# Altium PCB Cyber_VCM.PcbDoc
Units mil, origin at the board's own origin, x right, y up, seen from the top; angles counter-clockwise.
Board outline 1321.55 x 1548.84 mil, 4 copper layers (Top Layer, GND, Signal, Bottom Layer), stack 23.756 mil thick; 68 components, 56 nets, 303 pads, 166 vias.
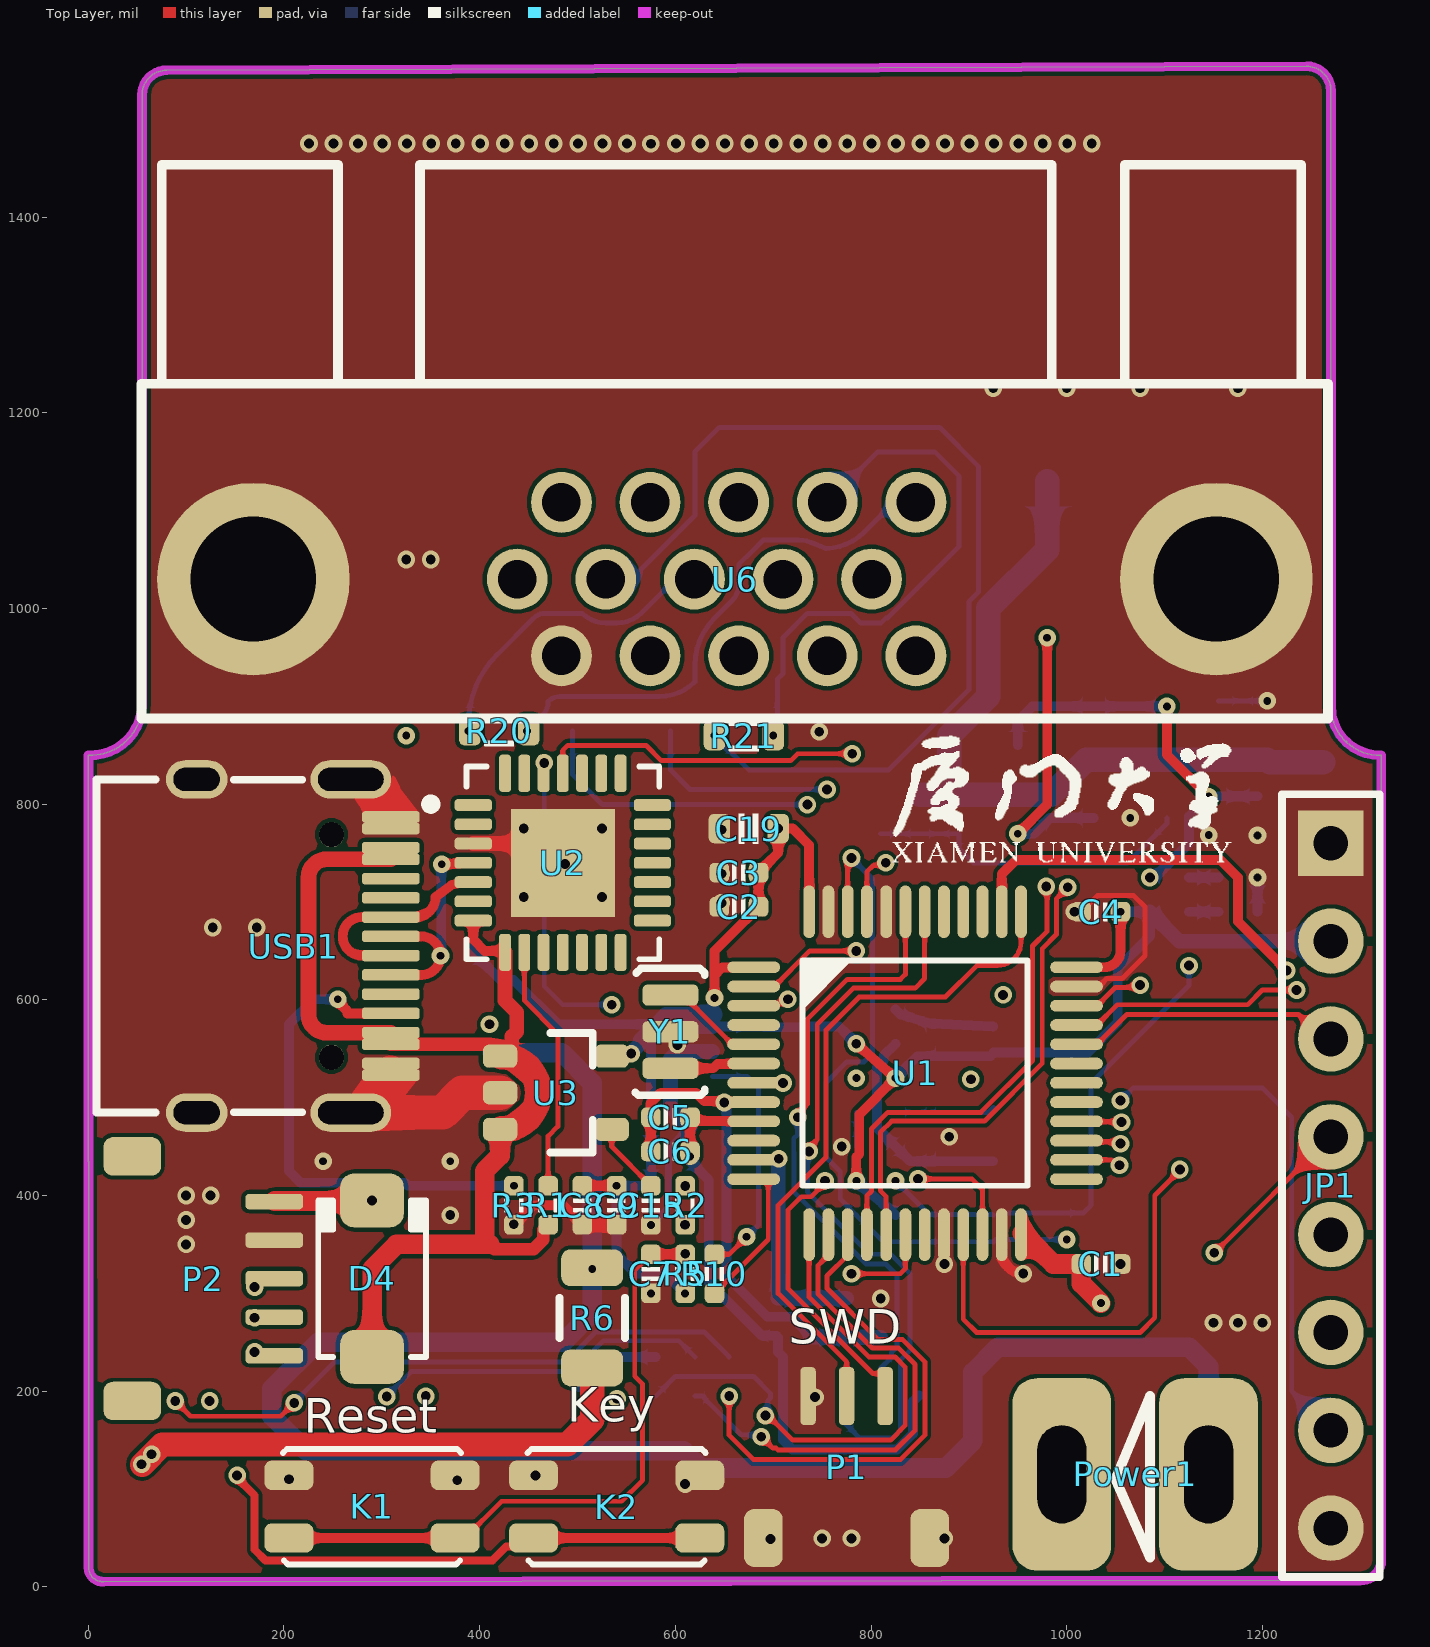
[diagram p0: Top Layer view]
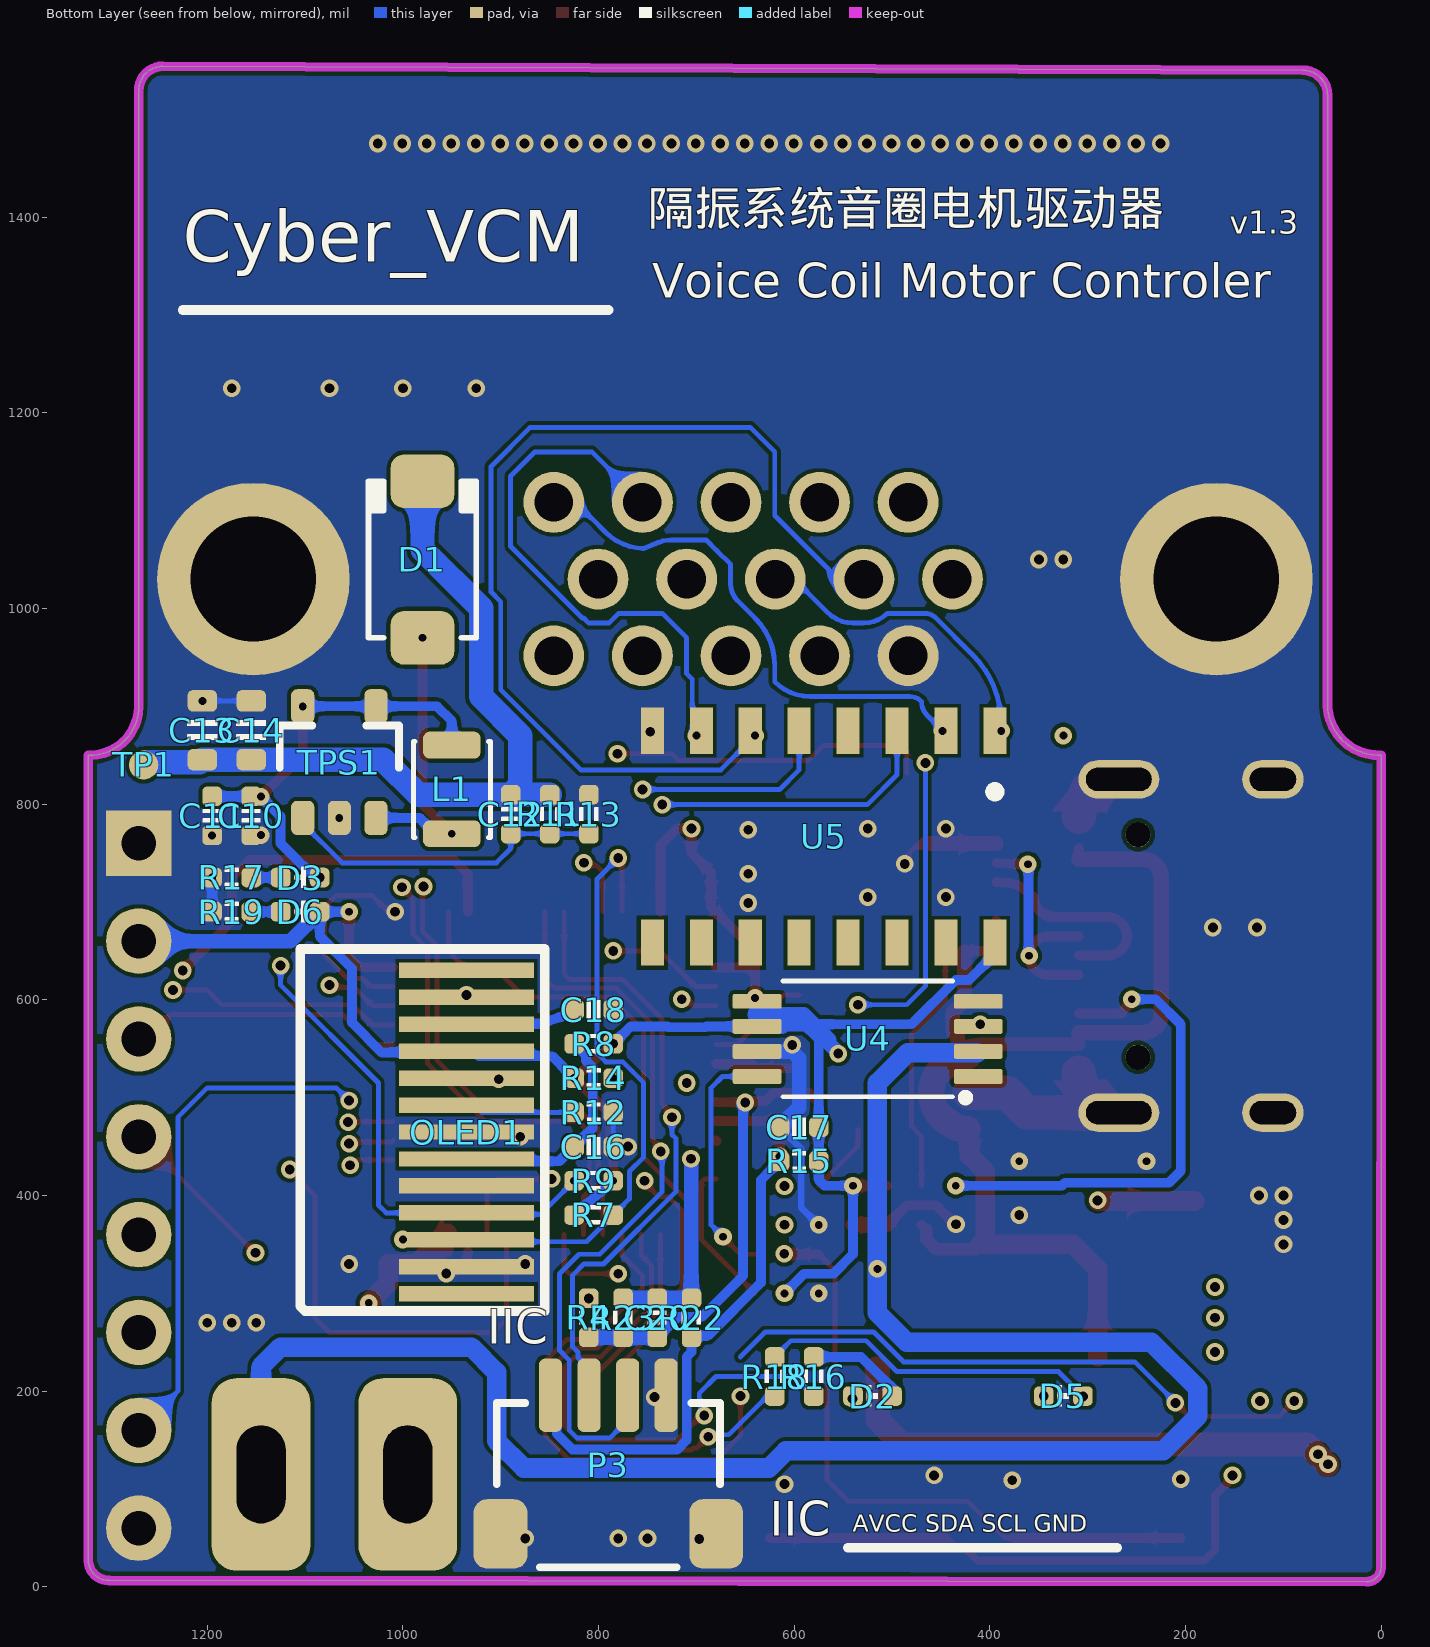
[diagram p1: Bottom Layer view, seen from below]
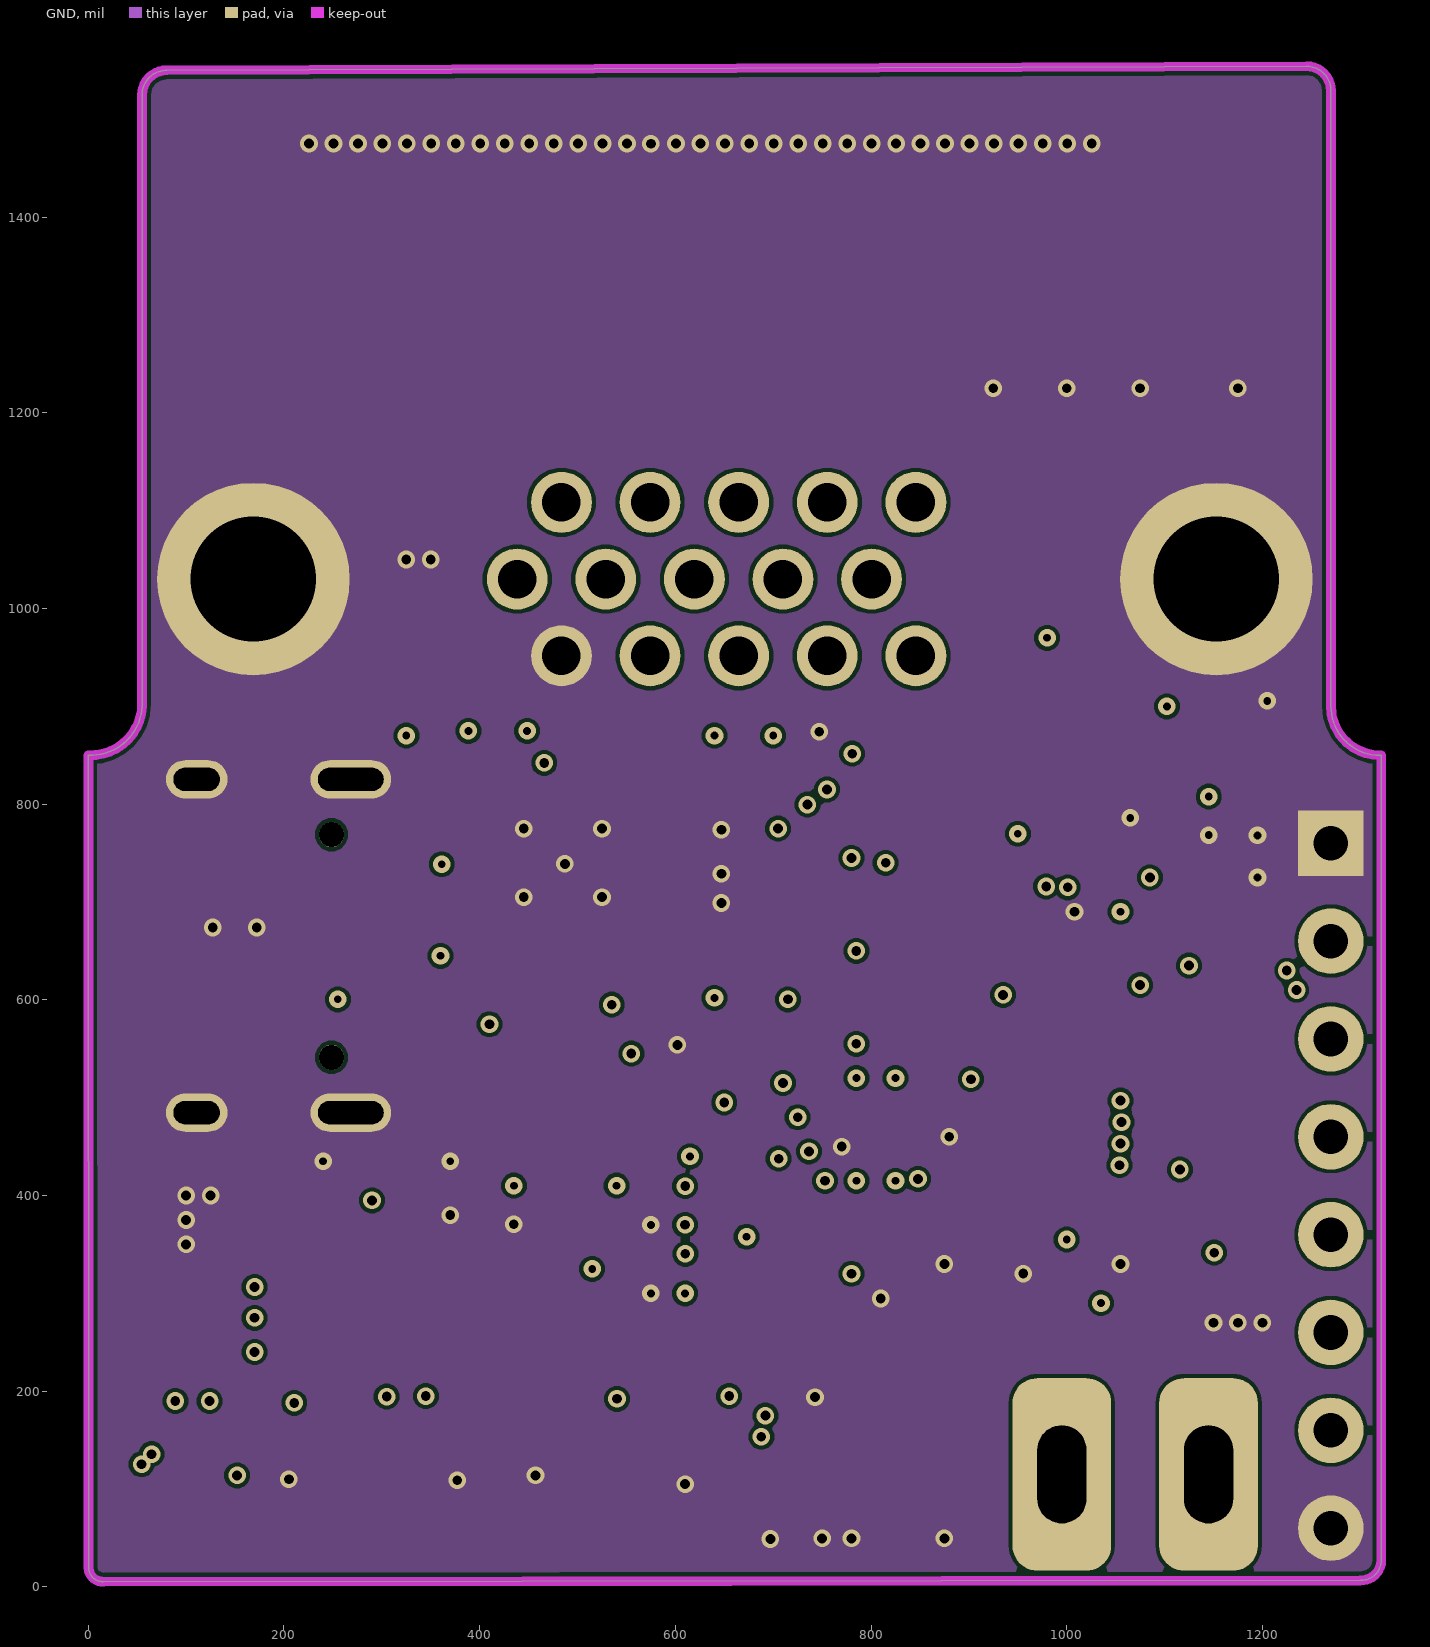
[diagram p2: GND]
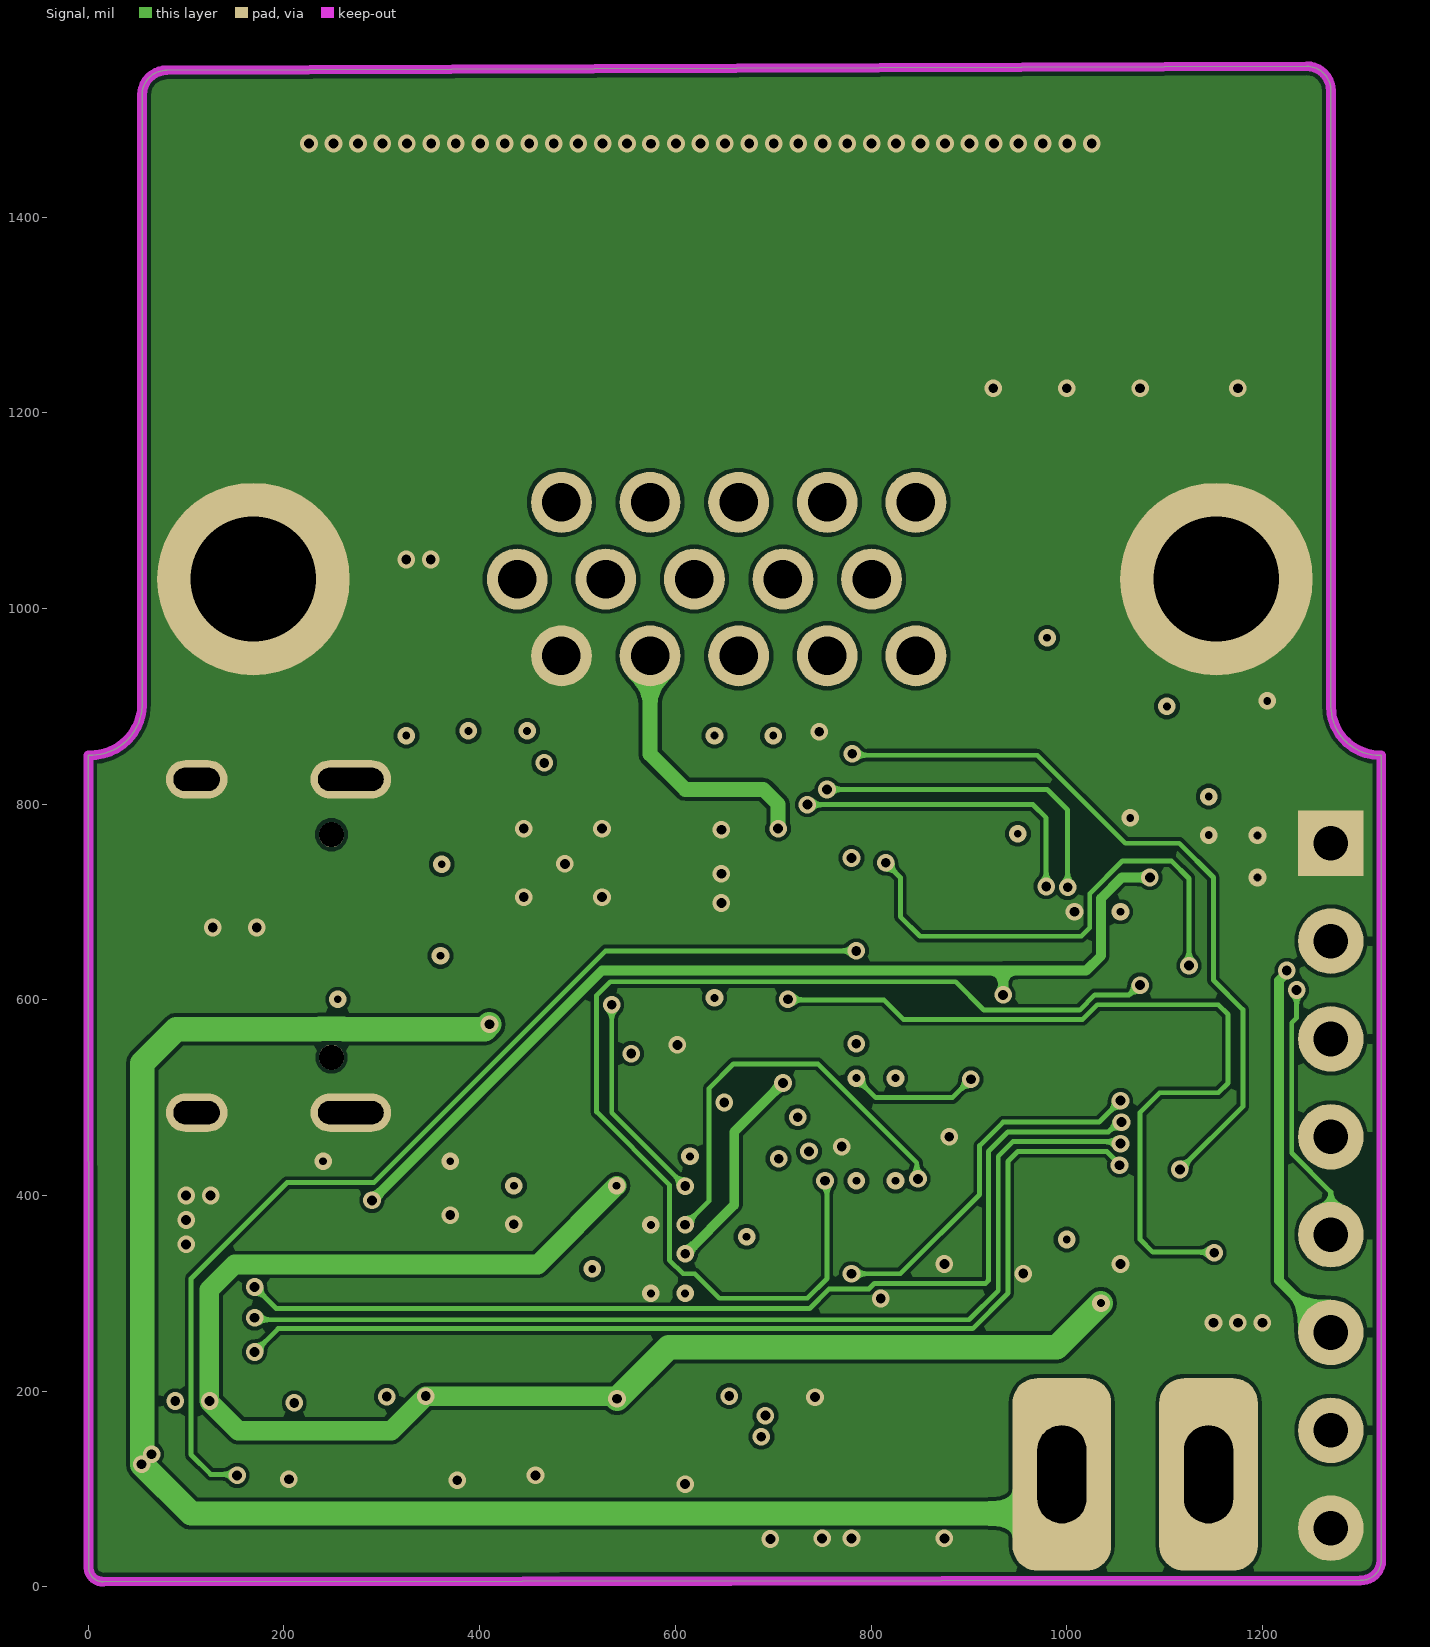
[diagram p3: Signal]

## Layer stack, top to bottom
Top Solder: solder mask 0.4, Solder Resist, Dk 3.5
Top Layer: signal copper 1.4
Dielectric 2: prepreg 2.8, PP-006, Dk 4.1
GND: signal copper 1.378
Dielectric 1: dielectric 12.6, FR-4, Dk 4.8
Signal: signal copper 1.378
Dielectric 3: prepreg 2.8, PP-006, Dk 4.1
Bottom Layer: signal copper 1.4
Bottom Solder: solder mask 0.4, Solder Resist, Dk 3.5

## Board outline
0.28,19.48 0.08,850 0,850 ccw(c2.5,902.5) 55,900 55,1525 54.99,1524.98 cw(c80.01,1524.98) 80.01,1550 1245.28,1554.11 cw(c1245.28,1529.4) 1270,1529.4 1270,900 ccw(c1320,900) 1320,850 1321.55,850 1321.52,26.59 cw(c1300.83,27.3) 1300.12,6.61 15.51,5.27 cw(c15,19.99)

## Design rules (kind name [scope] priority, off if disabled: settings)
Clearance [All] p1: gap=4 ignorepadtopadclearanceinfootprint=TRUE
PlaneClearance [All] p1: clearance=8
PlaneConnect [All] p1: planeconnectstyle=Direct reliefexpansion=20 reliefentries=4 reliefconductorwidth=10 reliefairgap=10
PolygonConnect [All] p1: connectstyle=Direct reliefconductorwidth=10 reliefentries=4 polygonreliefangle="90 Angle" airgapwidth=10
RoutingVias [All] p1: holewidth=28 width=50 viastyle="Through Hole" minholewidth=28 minwidth=50 maxholewidth=28 maxwidth=50
SolderMaskExpansion [All] p1: expansion=4 istentingtop=FALSE
Width [All] p1: maxlimit=50 minlimit=4 preferedwidth=5
28 further rules are at their usual default settings.

## Components (designator, comment, footprint, x,y, rotation, side; value= is the part's Value field where it differs from the comment)
C1 "0.1uF" CAP_0402 1035,330 r180 top value=0.1u
C2 "0.1uF" CAP_0402 665,695 r0 top value=0.1u
C3 "0.1uF" CAP_0402 665,730 r0 top value=0.1u
C4 "0.1uF" CAP_0402 1035,690 r0 top value=0.1u
C5 "10uF" CAP_0402 595,480 r0 top value=0.1u
C6 "0.1uF" CAP_0402 595,445 r0 top value=0.1u
C7 "0.1uF" CAP_0402 575,320 r90 top value=0.1u
C8 "0.1uF" CAP_0402 505,390 r90 top value=0.1u
C9 "10uF" CAP_0402 540,390 r90 top value=0.1u
C10 "0.1uF" CAP_0402 1155,788 r90 bottom value=0.1u
C11 "0.1uF" CAP_0402 1195,788 r90 bottom value=0.1u
C12 "220pF" CAP_0402 889.84,789.68 r90 bottom value=0.1u
C13 "0.1uF" 0603-CAP 1205,875.5 r270 bottom value=0.1u
C14 "10uF" 0603-CAP 1155,875.5 r270 bottom value=0.1u
C15 "10nF" CAP_0402 575,390 r270 top value=0.1u
C16 "10uF" CAP_0402 805,450 r0 bottom value=0.1u
C17 "0.1uF" CAP_0402 595,470 r180 bottom value=0.1u
C18 "10uF" CAP_0402 805,590 r0 bottom value=0.1u
C19 "0.1uF" 0603-CAP 675,775 r0 top value=0.1u
C20 "10uF" CAP_0402 740,275 r90 bottom value=0.1u
D1 "SS54" DO-214AC 980,1050 r90 bottom
D2 "color?" LED_0402_BLUE 520,195 r180 bottom
D3 "color?" LED_0402_BLUE 1105,725 r0 bottom
D4 "SS54" DO-214AC 290,315 r90 top
D5 "color?" LED_0402_BLUE 325,195 r180 bottom
D6 "color?" LED_0402_BLUE 1105,690 r0 bottom
JP1 "HDR-1X8" HDR2.54-M-LI-8P 1270,410 r270 top
K1 "TACT 4P" ButtonTACT_3.5*3.55_90 290,82 r180 top value=3.4x3.5
K2 "TACT 4P" ButtonTACT_3.5*3.55_90 540,82 r180 top value=3.4x3.5
L1 "2.2uF" 2520-L 950,815 r270 bottom
OLED1 "OLED12880" OLED12880 625,481.97 r180 bottom
P1 "SH1.0-3P" SH1.0-3P 775,195 r0 top
P2 "SH1.0-5P" SH1.0-5P 190,315 r270 top
P3 "SH1.0-4P" SH1.0-4P 790,125 r180 bottom
Power1 "电源" TX60电源 1070,110 r180 top
R1 "10K" RES_0402 470,390 r90 top value=22R
R2 "200" RES_0402 610,390 r90 top value=22R
R3 "5.1K" RES_0402 435,390 r270 top value=22R
R4 "0" RES_0402 810,275 r90 bottom value=22R
R5 "10K" RES_0402 610,320 r270 top value=22R
R6 "0.01R" 1206-RES 515,275 r270 top value=22R
R7 "10K" RES_0402 805,380 r0 bottom value=22R
R8 "10K" RES_0402 805,555 r180 bottom value=22R
R9 "10K" RES_0402 805,415 r180 bottom value=22R
R10 "0R" RES_0402 640,320 r270 top value=22R
R11 "100K" RES_0402 849.84,789.68 r90 bottom value=22R
R12 "560K" RES_0402 805,485 r180 bottom value=22R
R13 "10K" RES_0402 809.84,789.68 r270 bottom value=22R
R14 "4.7K" RES_0402 805,520 r0 bottom value=22R
R15 "0R" RES_0402 595,435 r180 bottom value=22R
R16 "2K" RES_0402 580,215 r270 bottom value=22R
R17 "2K" RES_0402 1175,725 r0 bottom value=22R
R18 "2K" RES_0402 620,215 r270 bottom value=22R
R19 "1.5K" RES_0402 1175,690 r0 bottom value=22R
R20 "120R" RES_0603 420,875 r180 top value=22R
R21 "120R" RES_0603 670,870 r180 top value=22R
R22 "NCP15XH103F03RC" RES_0402 705,275 r270 bottom value=10k
R23 "3.3K" RES_0402 775,275 r90 bottom value=22R
TP1 "TESTPOINT" TP-R30 1265,840 r90 bottom
TPS1 "TPS61040DBV" SOT23-5 1065,845 r90 bottom
U1 "STM32F103CBT6" LQFP-48 845,525 r0 top
U2 "CP2102" QFN-28 485,740 r0 top value=Value
U3 "LP2992 3V3" SOT23-5 480,505 r0 top
U4 "INA240A2PWR" "SOP65 P640X120-8N" 525,560 r0 bottom
U5 "AM26C32" SOP16 565,767.64 r0 bottom
U6 "VGA" VGA15A 664.72,951.58 r180 top
USB1 "Type-C" Type-C-TOP 210,655 r180 top
Y1 "8MHz" 晶振-3P 595,567.4 r90 top

## Footprints (in the part's own frame and the unit in brackets; to place one, negate y for a bottom-side part, rotate by r counter-clockwise, add the part's x,y. Pads: shape width x height; smd on the part's side, far side on the other; paste and mask are expansions set on the pad)
0603-CAP [mil]
  rrect50% 22x30 smd: 1(-30,0) 2(30,0)
  silkscreen extent -10,-15 10,15, body extent -31,-16 31,16, height 31
1206-RES [mil]
  rrect50% 37.64x63.38 smd paste+0 mask+0: 1(-51.22,0) 2(51.22,0)
  silkscreen extent -21,-33 21,33, body extent -61,-31 61,31, height 26
2520-L [mm]
  rrect50% 0.7x1.5 smd: 1(-1.15,0) 2(1.15,0)
  silkscreen extent -1.25,-1 1.25,1, body extent -1,-0.6 1,0.6, height 0.92
ButtonTACT_3.5*3.55_90 [mil]
  rrect50% 50x30 smd: 1(-85,32) 2(-85,-32) 3(85,32) 4(85,-32)
  silkscreen extent -91,-59 91,59, body extent -90,-55 91,85, height 56
CAP_0402 [mil]
  rrect50% 20x20 smd: 1(-20,0) 2(20,0)
  silkscreen extent -7,-9 7,9, body extent -20,-10 20,10, height 20
DO-214AC [mil] "SMA"
  rrect50% 55x65 smd: 1(-80,0) 2(80,0)
  silkscreen extent -80,-55 80,55, body extent -98,-53 98,53, height 85
HDR2.54-M-LI-8P [mm] "排母，8脚"
  rect 1.7x1.7 hole 0.9: 1(-8.89,0)
  round 1.7 hole 0.9: 2(-6.35,0) 3(-3.81,0) 4(-1.27,0) 5(1.27,0) 6(3.81,0) 7(6.35,0) 8(8.89,0)
  silkscreen extent -10.16,-1.27 10.16,1.27, body extent -10.16,-1.27 10.16,1.27, height 8.5
LED_0402_BLUE [mil]
  rrect50% 20x20 smd: 1(-20,0) 2(20,0)
  silkscreen extent -6,-10 6,10, body extent -20,-10 20,10, height 18
LQFP-48 [mil]
  oval 54x12 smd: 1(-165,108.27) 2(-165,88.58) 3(-165,68.9) 4(-165,49.21) 5(-165,29.53) 6(-165,9.84) 7(-165,-9.84) 8(-165,-29.53) 9(-165,-49.21) 10(-165,-68.9) 11(-165,-88.58) 12(-165,-108.27) 25(165,-108.27) 26(165,-88.58) 27(165,-68.9) 28(165,-49.21) 29(165,-29.53) 30(165,-9.84) 31(165,9.84) 32(165,29.53) 33(165,49.21) 34(165,68.9) 35(165,88.58) 36(165,108.27)
  oval 12x54 smd: 13(-108.27,-165) 14(-88.58,-165) 15(-68.9,-165) 16(-49.21,-165) 17(-29.53,-165) 18(-9.84,-165) 19(9.84,-165) 20(29.53,-165) 21(49.21,-165) 22(68.9,-165) 23(88.58,-165) 24(108.27,-165) 37(108.27,165) 38(88.58,165) 39(68.9,165) 40(49.21,165) 41(29.53,165) 42(9.84,165) 43(-9.84,165) 44(-29.53,165) 45(-49.21,165) 46(-68.9,165) 47(-88.58,165) 48(-108.27,165)
  silkscreen extent -115,-115 115,115, body extent -177,-177 177,177, height 61
OLED12880 [mm] "OLED12880"
  rect 3.5x0.4 smd: 1(-7.874,3.766) 2(-7.874,3.066) 3(-7.874,2.366) 4(-7.874,1.666) 5(-7.874,0.966) 6(-7.874,0.266) 7(-7.874,-0.434) 8(-7.874,-1.134) 9(-7.874,-1.834) 10(-7.874,-2.534) 11(-7.874,-3.234) 12(-7.874,-3.934) 13(-7.874,-4.634)
  silkscreen extent -12.19,-5.08 -5.84,4.32, body extent -12.75,-6.5 14.97,6, height 1.55
QFN-28 [mil]
  rrect50% 38x12 smd mask+5: 1(-91.5,59.06) 2(-91.5,39.37) 3(-91.5,19.68) 4(-91.5,0) 5(-91.5,-19.68) 6(-91.5,-39.37) 7(-91.5,-59.06) 15(91.5,-59.06) 16(91.5,-39.37) 17(91.5,-19.68) 18(91.5,0) 19(91.5,19.68) 20(91.5,39.37) 21(91.5,59.06)
  rrect50% 12x38 smd mask+5: 8(-59.06,-91.5) 9(-39.37,-91.5) 10(-19.68,-91.5) 11(0,-91.5) 12(19.68,-91.5) 13(39.37,-91.5) 14(59.06,-91.5) 22(59.06,91.5) 23(39.37,91.5) 24(19.68,91.5) 25(0,91.5) 26(-19.68,91.5) 27(-39.37,91.5) 28(-59.06,91.5)